# Altium PCB MCU063A_PCB.PcbDoc (part 1 of 9) (continued)
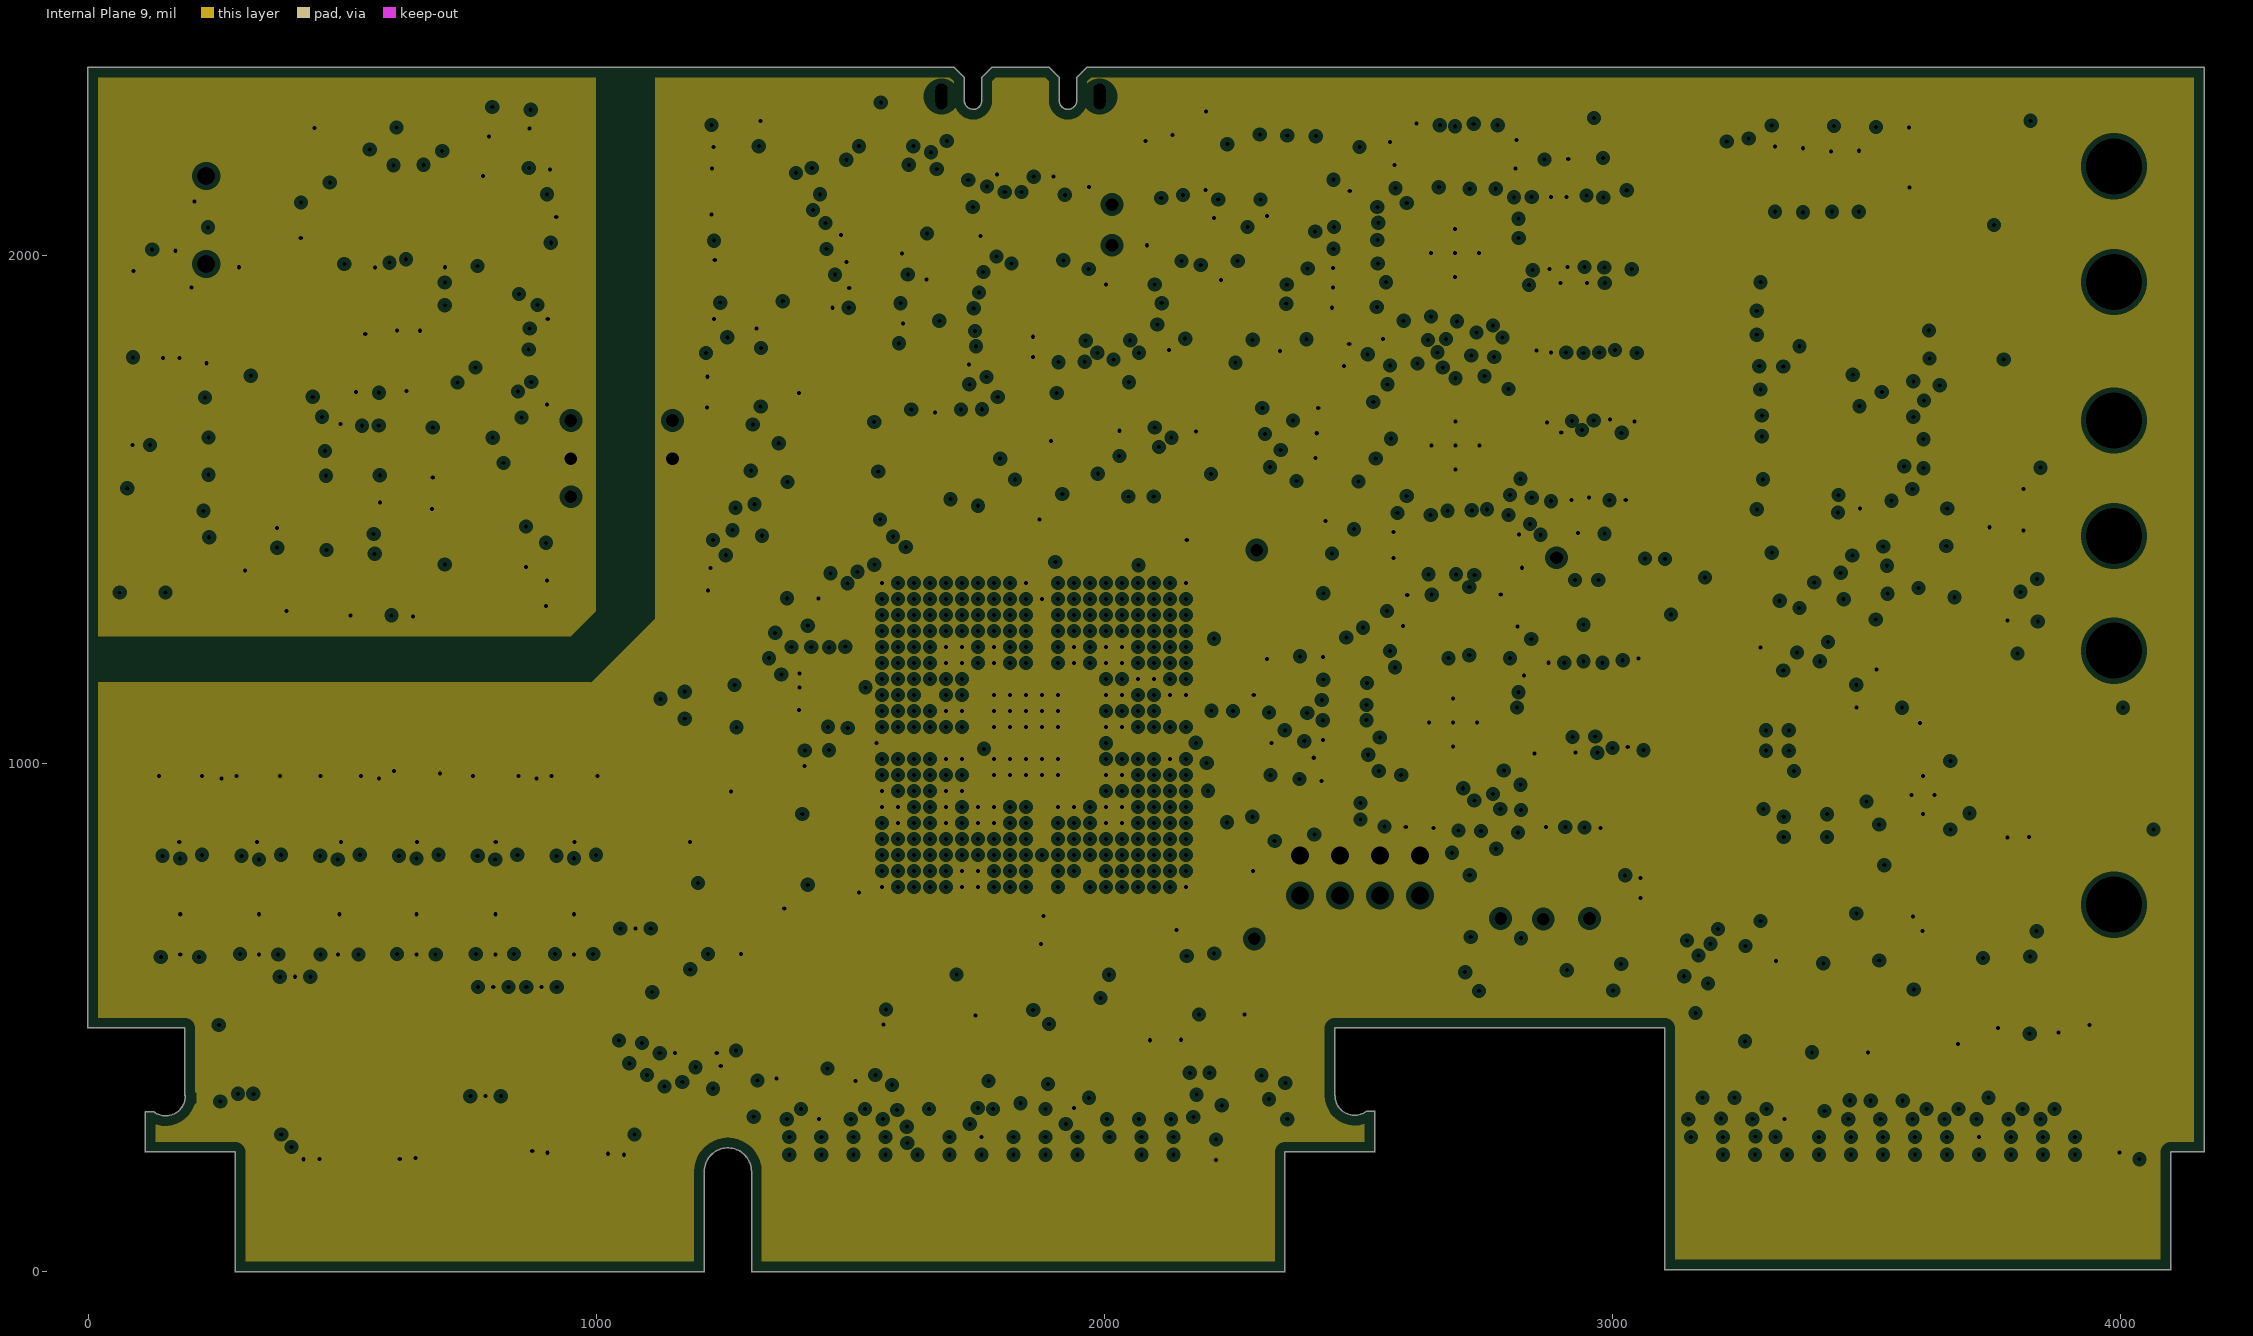
[diagram p9: Internal Plane 9, clearances drawn from the general rule]

## Layer stack, top to bottom
Top Solder: solder mask 0.8, Solder Resist, Dk 3.6
Top Layer: signal copper 1.45
Dielectric 1: prepreg 4.86, FR-4, Dk 3.7
Internal Plane 2: plane copper 1.2, net (Multiple Nets)
Dielectric 2: core 5, FR-4, Dk 3.7
Signal Layer 3: signal copper 1.2
Dielectric 3: prepreg 6.28, FR-4, Dk 4.1
Signal Layer 4: signal copper 1.2
Dielectric 4: core 5, FR-4, Dk 3.7
Internal Plane 5: plane copper 1.2, net (Multiple Nets)
Dielectric 5: prepreg 5.12, FR-4, Dk 3.7
Internal Plane 6: plane copper 1.2, net (Multiple Nets)
Dielectric 6: core 5, FR-4, Dk 3.7
Signal Layer 7: signal copper 1.2
Dielectric 7: prepreg 6.28, FR-4, Dk 4.1
Signal Layer 8: signal copper 1.2
Dielectric 8: core 5, FR-4, Dk 3.7
Internal Plane 9: plane copper 1.2, net (Multiple Nets)
Dielectric 9: prepreg 4.86, FR-4, Dk 3.7
Bottom: signal copper 1.45
Bottom Solder: solder mask 0.8, Solder Resist, Dk 3.6

## Board outline
112.46,236 112.46,314 cw(c112.98,314) 112.98,314.52 128.94,314.52 cw(c128.98,314) 129.29,314.41 ccw(c152.53,345.09) 191.01,345.09 ccw(c152.53,345.09) 190.99,346.49 cw(c190.98,347) 190.46,347 190.46,479.49 0,479.49 cw(c0,480) -0.52,480 -0.52,2369.99 cw(c0,2369.99) 0,2370.51 1703.62,2370.51 cw(c1703.62,2369.99) 1703.99,2370.35 1724.1,2350.24 cw(c1723.73,2349.88) 1724.25,2349.88 1724.25,2305.27 ccw(c1742.37,2305.63) 1742,2287.51 ccw(c1741.78,2304.39) 1758.65,2304.39 ccw(c1741.78,2304.39) 1758.65,2304.59 ccw(c1741.78,2304.39) 1758.65,2304.6 1758.65,2349.88 cw(c1759.17,2349.88) 1758.8,2350.24 1778.49,2369.93 cw(c1778.85,2369.56) 1778.85,2370.08 1891.06,2370.08 cw(c1891.06,2369.56) 1891.42,2369.93 1911.11,2350.24 cw(c1910.74,2349.88) 1911.26,2349.88 1911.26,2304.6 cw(c1910.74,2304.6) 1911.26,2304.59 cw(c1928.17,2304.43) 1911.26,2304.6 1911.26,2304.59 ccw(c1928.17,2304.43) 1928,2287.51 ccw(c1928.17,2304.43) 1928.01,2287.51 cw(c1928,2287) 1928.02,2287.51 cw(c1928.29,2304.89) 1928.01,2287.51 ccw(c1928,2287) 1928,2287.51 1928.02,2287.51 ccw(c1928.29,2304.89) 1945.66,2304.6 ccw(c1928.29,2304.89) 1945.66,2304.61 ccw(c1928.29,2304.89) 1945.66,2304.61 1945.66,2304.6 1945.66,2349.88 cw(c1946.18,2349.88) 1945.81,2350.24 1965.93,2370.36 cw(c1966.3,2370) 1966.3,2370.52 4163.98,2370.52 cw(c4163.98,2370) 4164.49,2370 4164.49,236.1 cw(c4163.98,236.1) 4163.98,235.59 4099.08,235.59 4099.08,4 cw(c4098.57,4) 4098.57,3.49 3103.29,3.49 cw(c3103.29,4) 3102.77,4 3102.77,479.49 2453.49,479.49 2453.49,346.52 cw(c2453.48,346) 2453.99,346 ccw(c2492.48,346.12) 2515.62,315.37 cw(c2515.98,315) 2515.98,315.52 2531.98,315.52 cw(c2531.98,315) 2532.49,315 2532.49,236 cw(c2531.98,236) 2531.98,235.49 2355.49,235.49 2355.49,0 cw(c2354.98,0) 2354.98,-0.51 1306.09,-0.51 cw(c1306.09,0) 1305.57,0 1305.57,197 ccw(c1259.09,197) 1212.6,197 1212.6,0 cw(c1212.09,0) 1212.09,-0.51 289.98,-0.51 cw(c289.98,0) 289.46,0 289.46,235.49 112.98,235.49 cw(c112.98,236)

## Design rules (kind name [scope] priority, off if disabled: settings)
AcuteAngle [All] p1: minimum=4.50000000000000E+0001 checktracksonly=FALSE
AssemblyTestPointUsage [All] p1: valid=2
BoardOutlineClearance "Edge exception" [OnCopper and Not InComponentClass('Logo') and not InComponentClass('FiducialMark') and not InRegion(1000,500,4000,800) and not InPoly and ((Name = 'EC2') or (Name = 'EC1'))] p1: gap=0 ignorepadtopadclearanceinfootprint=FALSE
BoardOutlineClearance BoardOutlineClearance_1 [All] p2: gap=30 ignorepadtopadclearanceinfootprint=FALSE except(15: Arc-OutlineEdge Track-OutlineEdge SMDPad-OutlineEdge Fill-OutlineEdge)
BoardOutlineClearance BoardOutlineClearance_MountingHoles [OnCopper and InComponentClass('Mounting Holes')] p3: gap=40 ignorepadtopadclearanceinfootprint=FALSE
BoardOutlineClearance BoardOutlineClearance_Poly [OnCopper and IsPoly] p4: gap=25 ignorepadtopadclearanceinfootprint=FALSE
Clearance same_net [All] p1: gap=0 ignorepadtopadclearanceinfootprint=TRUE except(5.3: SMDPad-Via; 10: THPad-Via)
Clearance Clearance_Keepouts [((IsTrack Or IsArc) And Not InPoly) And IsFree and IsKeepOut vs ((IsTrack Or IsArc) And Not InPoly) And IsFree and IsKeepOut] p2: gap=0 ignorepadtopadclearanceinfootprint=FALSE
Clearance Clearance_Poly [InPolygon] p3: gap=8 ignorepadtopadclearanceinfootprint=FALSE
Clearance Clearance_FiducialMark [IsKeepOut and InComponentClass('FiducialMark') vs IsPad and InComponentClass('FiducialMark')] p4: gap=0 ignorepadtopadclearanceinfootprint=FALSE
Clearance [All] p5: gap=5.3 ignorepadtopadclearanceinfootprint=FALSE except(4: Arc-Via Track-Via; 5: SMDPad-Via Via-Via; 6: Arc-THPad Arc-Hole Track-THPad Track-Hole SMDPad-THPad THPad-THPad THPad-Via THPad-Fill THPad-Poly THPad-Region THPad-Text; 10: SMDPad-Hole THPad-Hole Via-Hole Fill-Hole Poly-Hole Region-Hole Text-Hole)
ComponentClearance ComponentClearance_MountingHoles_FiducialMarks [InComponentClass('Mounting Holes') vs InComponentClass('FiducialMark')] p1: gap=50 collisioncheckmode=3 verticalgap=10 showdistances=FALSE
ComponentClearance ComponentClearance_Shunt [InComponentClass('Header') vs InComponentClass('Shunt')] p2: gap=0 collisioncheckmode=3 verticalgap=0 showdistances=FALSE
ComponentClearance ComponentClearance_Logo [InComponentClass('Logo')] p3: gap=50 collisioncheckmode=3 verticalgap=10 showdistances=FALSE
ComponentClearance ComponentClearance_ScrewToNut [(HasFootprint('NY PMS 440 0025 PH')) vs (HasFootprint('Keystone_1902C'))] p4: gap=5 collisioncheckmode=3 verticalgap=10 showdistances=FALSE
ComponentClearance ComponentClearance_MountingHoles [InComponentClass('Mounting Holes')] p5: gap=250 collisioncheckmode=3 verticalgap=100000 showdistances=FALSE
ComponentClearance ComponentClearance_SmallPassives [HasFootprint('0201*') or HasFootprint('0402*') or HasFootprint('0508') or HasFootprint('0603*') or HasFootprint('0612') or HasFootprint('0805*') or HasFootprint('0815*') or HasFootprint('0830*') or HasFootprint('1206*') or HasFootprint('1210*') or HasFootprint('1808*') or HasFootprint('1812*') or HasFootprint('1825*') or HasFootprint('2010*') or HasFootprint('2220*') or HasFootprint('2225*') or HasFootprint('2512*') or HasFootprint('2728*') or HasFootprint('3518*') vs HasFootprint('0201*') or HasFootprint('0402*') or HasFootprint('0508') or HasFootprint('0603*') or HasFootprint('0612') or HasFootprint('0805*') or HasFootprint('0815*') or HasFootprint('0830*') or HasFootprint('1206*') or HasFootprint('1210*') or HasFootprint('1808*') or HasFootprint('1812*') or HasFootprint('1825*') or HasFootprint('2010*') or HasFootprint('2220*') or HasFootprint('2225*') or HasFootprint('2512*') or HasFootprint('2728*') or HasFootprint('3518*')] p6: gap=14.96 collisioncheckmode=3 verticalgap=10 showdistances=FALSE
ComponentClearance ComponentClearance_THtoSMT [IsThruComponent vs IsSMTComponent] p7: gap=40 collisioncheckmode=3 verticalgap=30 showdistances=FALSE
ComponentClearance ComponentClearance_THtoTH [IsThruComponent vs IsThruComponent] p8: gap=30 collisioncheckmode=3 verticalgap=30 showdistances=FALSE
ComponentClearance [All] p9: gap=30 collisioncheckmode=3 verticalgap=10 showdistances=FALSE
DiffPairsRouting [InDifferentialPairClass('All Differential Pairs')] p1: maxlimit=7 minlimit=6 mostfreqgap=7 toplayer_maxgap=6 toplayer_prefgap=6 toplayer_minwidth=4 toplayer_maxwidth=6.1 toplayer_prefwidth=6 midlayer1_mingap=7 midlayer1_minwidth=4 midlayer1_maxwidth=5 midlayer1_prefwidth=5 midlayer2_mingap=7 midlayer2_minwidth=4 midlayer2_maxwidth=5 midlayer2_prefwidth=5 midlayer3_mingap=7 midlayer3_minwidth=4 midlayer3_maxwidth=5 midlayer3_prefwidth=5 midlayer4_mingap=7 midlayer4_minwidth=4 midlayer4_maxwidth=5 midlayer4_prefwidth=5 bottomlayer_maxgap=6 bottomlayer_prefgap=6 bottomlayer_minwidth=4 bottomlayer_maxwidth=6 bottomlayer_prefwidth=6 maxuncoupledlength=1000
DiffPairsRouting DiffPairsRouting_90 [InDifferentialPairClass('All Differential Pairs')] p2: maxlimit=6 minlimit=5 mostfreqgap=6 toplayer_maxgap=5 toplayer_prefgap=5 toplayer_minwidth=7 toplayer_maxwidth=7 toplayer_prefwidth=7 midlayer1_mingap=6 midlayer1_minwidth=6 midlayer1_maxwidth=6 midlayer1_prefwidth=6 midlayer2_mingap=6 midlayer2_minwidth=6 midlayer2_maxwidth=6 midlayer2_prefwidth=6 midlayer3_mingap=6 midlayer3_minwidth=6 midlayer3_maxwidth=6 midlayer3_prefwidth=6 midlayer4_mingap=6 midlayer4_minwidth=6 midlayer4_maxwidth=6 midlayer4_prefwidth=6 bottomlayer_maxgap=5 bottomlayer_prefgap=5 bottomlayer_minwidth=7 bottomlayer_maxwidth=7 bottomlayer_prefwidth=7 maxuncoupledlength=1000
FabricationTestPointUsage TestPointUsage [All] p1: valid=2 allowmultiple=FALSE
FabricationTestpoint Testpoint [All] p1: side=3 testpointundercomponent=TRUE minsize=40 maxsize=100 preferedsize=60 minholesize=0 maxholesize=40 preferedholesize=32 testpointgrid=1 allowsidetop=TRUE allowsidebottom=TRUE usegrid=TRUE gridtolerance=0.01
FanoutControl Fanout_LCC [IsLCC] p1: bgadir=Out bgaviamode=Centered fanoutstyle=Auto fanoutdirection=Alternating viagrid=1 // Fanout_LCC (Default Rule)
FanoutControl Fanout_BGA [IsBGA] p2: bgadir=Out bgaviamode=Centered fanoutstyle=Auto fanoutdirection=Alternating viagrid=1 // Fanout_BGA (Default Rule)
FanoutControl Fanout_Default [All] p4: bgadir=Out bgaviamode=Centered fanoutstyle=Auto fanoutdirection=Alternating viagrid=1 // Fanout_Default (Default Rule)
FanoutControl Fanout_Small [(CompPinCount < 5)] p5: bgadir=Out bgaviamode=Centered fanoutstyle=Auto fanoutdirection=OutThenIn viagrid=1 // Fanout_Small (Default Rule)
HoleSize [All] p1: absolutevalues=TRUE maxlimit=251 minlimit=7.87 maxpercent=80.000 minpercent=20.000
MinimumAnnularRing MinimumAnnularRing_ThermalPadVias [IsVia and InAnyComponent] p1: minimumring=5
MinimumAnnularRing [All] p2: minimumring=5
MinimumSolderMaskSliver MinimumSolderMaskSliver_Logo [InComponentClass('Logo') vs InComponentClass('Logo')] p1: minsoldermaskwidth=0.7
MinimumSolderMaskSliver [All] p2: minsoldermaskwidth=3.94
PlaneClearance [All] p1: clearance=10
PlaneConnect [All] p1: planeconnectstyle=Direct reliefexpansion=10 reliefentries=4 reliefconductorwidth=10 reliefairgap=10
PolygonConnect [All] p1: connectstyle=Relief reliefconductorwidth=10 reliefentries=4 polygonreliefangle="90 Angle" airgapwidth=10
RoutingVias [All] p1: holewidth=8 width=22 viastyle="Through Hole" minholewidth=7.87 minwidth=18 maxholewidth=8 maxwidth=22
SilkToBoardRegionClearance [Not ((IsComment or IsDesignator) And (Hide <> 'False')) and not InRegion(1000,500,4000,800)] p1:
SilkToSilkClearance SilkToSilkClearance_Pb-FreeLogo [(HasFootprint('Pb-Free_Overlay_Medium') OR HasFootprint('Pb-Free_Overlay_Small')) vs (HasFootprint('Pb-Free_Overlay_Medium') OR HasFootprint('Pb-Free_Overlay_Small'))] p1: silktosilkclearance=1
SilkToSilkClearance [All] p2: silktosilkclearance=3
SilkToSolderMaskClearance SilkToComponentPadClearance [(IsPad or IsFill or IsRegion) and InAnycomponent] p1: minsilkscreentomaskgap=3 clearancetoexposedcopper=TRUE
SilkToSolderMaskClearance "Silk to Solder Mask Opening" [All] p2: minsilkscreentomaskgap=3 clearancetoexposedcopper=FALSE
SolderMaskExpansion [All] p1: expansion=1.97
Width USB_Width [InNetClass('USB')] p1: maxlimit=6.1 minlimit=6.1 preferedwidth=6.1 checkconnectedcopper=TRUE
Width [All] p2: maxlimit=20 minlimit=4 preferedwidth=6.25 checkconnectedcopper=TRUE
14 further rules are at their usual default settings.

## Classes and differential pairs
component class MCU063A_Emulator_interface: C20:A C21:A C22:A C23:A C24:A C25:A C26:A C27:A C28:A C29:A R15:A S1:A U5:A U6:A U7:A U8:A U9:A
component class MCU063A_GPIO: EC2 R1 R2 R3 R4 R5 R6 R7 R8
component class Logo: Logo2 Logo5
component class MCU063A_EVM_Hardware: FID1 FID2 FID3 FID4 FID5 FID6 LBL1 Logo1 Logo2 Logo3 Logo4 Logo5 ZZ1 ZZ2 ZZ3 ZZ4
component class FiducialMark: FID1 FID2 FID3 FID4 FID5 FID6
component class AssemblyNote: ZZ1 ZZ2 ZZ3 ZZ4
component class Label: LBL1
component class Header: J2
component class MCU063A_ADC: C8 C9 C10 C11 C12 C13 C14 C15 C16 C17 C18 C19 C20 C21 C22 C23 C24 C25 C26 C27 C28 C29 C30 C31 C32 C33 C34 C35 C36 C37 C38 C39 C40 C41 C42 C43 C44 R44 R45 R46 R47 R48 R49 R50 R51 R52 R53 R54 R55 R56 R57 R58 R59 R60 R61 R62 R63 R64 R65 R66 R67 R68 R69 R70 R71 R72 R73 R74 R75 R76 R77 R78 S3 S4 U1 U6 U7 U8 U9 U10 U11 U12 U13
component class MCU063A_Emulator: C1:A C2:A C3:A C4:A C5:A C6:A C7:A C8:A C9:A C10:A C11:A C12:A C13:A C14:A C15:A C16:A C17:A C18:A C19:A C140 C141 C142 C143 C144 C145 C146 C147 C148 C149 C150 C151 C152 C153 C154 C155 D1:A D2:A D3:A D4:A D9 D10 D11 D12 J1:A J7 L1:A L2:A L6 L7 R1:A R2:A R3:A R4:A R5:A R6:A R7:A R8:A R9:A R10:A R11:A R12:A R13:A R14:A R158 R159 R160 R161 R162 R163 R164 R165 R166 R167 R168 R169 R170 TP1:A TP2:A TP3:A U1:A U2:A U3:A U4:A U22 U23 U24 U25 Y1:A Y3
component class MCU063A_EtherCAT: C104 C105 C106 C107 C108 C109 C110 C111 C112 C113 C114 C115 C116 C117 C118 C119 C120 C121 C122 C123 C124 C125 C126 C127 C128 C129 C130 C131 C132 C133 C134 C135 C136 C137 C138 C139 D7 D8 J5 J6 R114 R115 R116 R117 R118 R119 R120 R121 R122 R123 R124 R125 R126 R127 R128 R129 R130 R131 R132 R133 R134 R135 R136 R137 R138 R139 R140 R141 R142 R143 R144 R145 R146 R147 R148 R149 R150 R151 R152 R153 R154 R155 R156 R157 U18 U19 U20 U21
component class MCU063A_EtherNET: C87 C88 C89 C90 C91 C92 C93 C94 C95 C96 C97 C98 C99 C100 C101 C102 C103 J4 R103 R104 R105 R106 R107 R108 R109 R110 R111 R112 R113 U17
component class MCU063A_Power: C45 C46 C47 C48 C49 C50 C51 C52 C53 C54 C55 C56 C57 C58 C59 C60 C61 C62 C63 C64 C65 C66 C67 C68 C69 C70 C71 C72 C73 C74 C75 C76 C77 C78 C79 C80 C81 C82 D3 D4 D5 L1 L2 L3 L4 L5 q R79 R80 R81 R82 R83 R84 R85 R86 R87 R88 R89 R90 TP7 TP8 TP9 TP10 U14
component class MCU063A_Support: C1 C2 C3 C4 C5 C6 C7 D1 D2 J1 J2 R9 R10 R11 R12 R13 R14 R15 R16 R17 R18 R19 R20 R21 R22 R23 R24 R25 R26 R27 R28 R29 R30 R31 R32 R33 R34 R35 R36 R37 R38 R39 R40 R41 R42 R43 S1 S2 TP1 TP2 TP3 TP4 TP5 TP6 U2 U3 U4 U5 Y1 Y2
component class MCU063A_USB: C83 C84 C85 C86 D6 J3 Q1 R91 R92 R93 R94 R95 R96 R97 R98 R99 R100 R101 R102 U15 U16
net class USB: USB_N USB_P
differential pair ADC_IN1415: +ADC_IN1415_P -ADC_IN1415_N
differential pair ADC_D4D5: +ADC_D4D5_P -ADC_D4D5_N
differential pair ADC_D2D3: +ADC_D2D3_P -ADC_D2D3_N
differential pair ADC_D0D1: +ADC_D0D1_P -ADC_D0D1_N
differential pair ADC_C4C5: +ADC_C4C5_P -ADC_C4C5_N
differential pair ADC_C2C3: +ADC_C2C3_P -ADC_C2C3_N
differential pair ADC_B4B5: +ADC_B4B5_P -ADC_B4B5_N
differential pair ADC_B2B3: +ADC_B2B3_P -ADC_B2B3_N
differential pair ADC_B0B1: +ADC_B0B1_P -ADC_B0B1_N
differential pair ADC_A4A5: +ADC_A4A5_P -ADC_A4A5_N
differential pair ADC_A2A3: +ADC_A2A3_P -ADC_A2A3_N
differential pair ADC_A0A1: +ADC_A0A1_P -ADC_A0A1_N
differential pair P1_TD: +P1_TD_P -P1_TD_N
differential pair P1_RD: +P1_RD_P -P1_RD_N
differential pair P0_TD: +P0_TD_P -P0_TD_N
differential pair P0_RD: +P0_RD_P -P0_RD_N
differential pair RD: +RD_P -RD_N
differential pair TD: +TD_P -TD_N
differential pair USB: +USB_P -USB_N
differential pair 1415: +1415_P -1415_N
differential pair A0A1: +A0A1_P -A0A1_N
differential pair A2A3: +A2A3_P -A2A3_N
differential pair A4A5: +A4A5_P -A4A5_N
differential pair B0B1: +B0B1_P -B0B1_N
differential pair B2B3: +B2B3_P -B2B3_N
differential pair B4B5: +B4B5_P -B4B5_N
differential pair C2C3: +C2C3_P -C2C3_N
differential pair C4C5: +C4C5_P -C4C5_N
differential pair D0D1: +D0D1_P -D0D1_N
differential pair D2D3: +D2D3_P -D2D3_N
differential pair D4D5: +D4D5_P -D4D5_N

## Components (designator, comment, footprint, x,y, rotation, side; value= is the part's Value field where it differs from the comment)
C1 "CL05B104KP5NNNC" 0402 1995.01,1630 r90 bottom value=0.1uF
C1:A "CL05B104KP5NNNC" 0402 552.16,1876.61 r180 top value=0.1uF
C2 "CL05B104KP5NNNC" 0402 2390.01,2080 r180 top value=0.1uF
C2:A "C0603C475K9PACTU" 0603 522.97,2251.02 r180 bottom value=4.7uF
C3 "C0402C103J5RACTU" 0402 2148.63,2020 r180 top value=0.01uF
C3:A "C0603C475K9PACTU" 0603 560.03,1938.74 r0 top value=4.7uF
C4 "CL05B104KP5NNNC" 0402 1985.01,1885 r90 top value=0.1uF
C4:A "0402ZC103KAT2A" 0402 827.16,2241.61 r270 top value=0.01uF
C5 "C0402C103J5RACTU" 0402 1955.01,2060 r90 top value=0.01uF
C5:A "C0603C475K9PACTU" 0603 272.16,1756.61 r270 top value=4.7uF
C6 "CL05B104KP5NNNC" 0402 2230.01,1890 r90 top value=0.1uF
C6:A "CL05B104KP5NNNC" 0402 602.16,1806.61 r180 top value=0.1uF
C7 "CL05B104KP5NNNC" 0402 3439.9,388.6 r0 bottom value=0.1uF
C7:A "CL05B104KP5NNNC" 0402 274.77,1403.83 r90 top value=0.1uF
C8 "C0603C104K8RACTU" 0603 264.94,866.31 r90 bottom value=0.1uF
C8:A "CL05B104KP5NNNC" 0402 631.96,1451.77 r180 top value=0.1uF
C9 "C0603C104K8RACTU" 0603 572.21,885.31 r90 bottom value=0.1uF
C9:A "CL05B104KP5NNNC" 0402 720.66,1640.51 r90 top value=0.1uF
C10 "C0603C104K8RACTU" 0603 882.21,880.31 r90 bottom value=0.1uF
C10:A "CL05B104KP5NNNC" 0402 272.16,1531.61 r90 top value=0.1uF
C11 "C0603C105Z9VACTU" 0603 1384.92,427.12 r180 bottom value=1uF
C11:A "CL05B104KP5NNNC" 0402 727.16,1471.61 r270 top value=0.1uF
C12 "C0603C105Z9VACTU" 0603 1399.92,672.12 r180 bottom value=1uF
C12:A "CL05B104KP5NNNC" 0402 492.32,1353.11 r180 top value=0.1uF
C13 "C0603C104K8RACTU" 0603 1219.92,517.12 r270 bottom value=0.1uF
C13:A "C0603C475K9PACTU" 0603 762.5,2074.42 r90 bottom value=4.7uF
C14 "C0603C225K9PACTU" 0603 1154.92,517.12 r270 bottom value=2.2uF
C14:A "CL05B104KP5NNNC" 0402 147.16,1671.61 r180 bottom value=0.1uF
C15 "C0603C105Z9VACTU" 0603 1284.92,517.12 r90 bottom value=1uF
C15:A "C0603C475K9PACTU" 0603 377.16,1976.61 r180 bottom value=4.7uF
C16 "C0603C331J5GACTU" 0603 227.21,720.31 r90 bottom value=330pF
C16:A "CL05B104KP5NNNC" 0402 397.16,1911.61 r0 bottom value=0.1uF
C17 "C0603C331J5GACTU" 0603 224.21,900.31 r90 top value=330pF
C17:A "CGA2B2X7R1H332K050BA" 0402 148.08,2106.02 r180 bottom value=3300pF
C18 "C0603C331J5GACTU" 0603 537.21,720.31 r90 bottom value=330pF
C18:A "C0402C270J5GACTU" 0402 237.74,1906.61 r270 bottom value=27pF
C19 "C0603C331J5GACTU" 0603 537.21,900.31 r90 top value=330pF
C19:A "C0402C270J5GACTU" 0402 88.85,1715.15 r90 top value=27pF
C20 "C0603C331J5GACTU" 0603 377.21,720.31 r90 bottom value=330pF
C20:A "CL05B104KP5NNNC" 0402 826.96,2268.77 r90 bottom value=0.1uF
C21 "C0603C331J5GACTU" 0603 377.21,900.31 r90 top value=330pF
C21:A "CL05B104KP5NNNC" 0402 1271.96,2236.77 r270 bottom value=0.1uF
C22 "C0603C331J5GACTU" 0603 692.21,720.31 r90 bottom value=330pF
C22:A "CL05B104KP5NNNC" 0402 905,1778.62 r90 top value=0.1uF
C23 "C0603C331J5GACTU" 0603 692.21,900.31 r90 top value=330pF
C23:A "CL05B104KP5NNNC" 0402 1188.79,1997.76 r270 bottom value=0.1uF
C24 "C0603C331J5GACTU" 0603 1002.21,720.31 r90 bottom value=330pF
C24:A "CL05B104KP5NNNC" 0402 1620.01,2080 r90 top value=0.1uF
C25 "C0603C331J5GACTU" 0603 1002.21,900.31 r90 top value=330pF
C25:A "CL05B104KP5NNNC" 0402 958.34,1777.37 r90 top value=0.1uF
C26 "C0603C331J5GACTU" 0603 847.21,720.31 r90 bottom value=330pF
C26:A "CL05B104KP5NNNC" 0402 1185.03,1784.85 r270 top value=0.1uF
C27 "C0603C331J5GACTU" 0603 847.21,900.31 r90 top value=330pF
C27:A "CL05B104KP5NNNC" 0402 941.82,1410.32 r90 bottom value=0.1uF
C28 "GRM188R61A226ME15D" 0603 1507.09,536.41 r270 bottom value=22uF
C28:A "CL05B104KP5NNNC" 0402 1178.04,1410.32 r270 bottom value=0.1uF
C29 "GRM188R61A226ME15D" 0603 1790.55,536.41 r270 bottom value=22uF
C29:A "C1812C100JHGACTU" 1812_180 1068.18,2222.63 r180 bottom value=10pF
C30 "GRM188R61A226ME15D" 0603 1349.61,945.86 r180 bottom value=22uF
C31 "GRM188R61A226ME15D" 0603 1617.33,536.41 r270 bottom value=22uF
C32 "C0603C331J5GACTU" 0603 142.21,720.31 r90 bottom value=330pF
C33 "C0603C331J5GACTU" 0603 139.21,900.31 r90 top value=330pF
C34 "C0603C331J5GACTU" 0603 457.21,720.31 r90 bottom value=330pF
C35 "C0603C331J5GACTU" 0603 457.21,900.31 r90 top value=330pF
C36 "C0603C331J5GACTU" 0603 292.21,720.31 r90 bottom value=330pF
C37 "C0603C331J5GACTU" 0603 292.21,900.31 r90 top value=330pF
C38 "C0603C331J5GACTU" 0603 602.21,720.31 r90 bottom value=330pF
C39 "C0603C331J5GACTU" 0603 602.21,900.31 r90 top value=330pF
C40 "C0603C331J5GACTU" 0603 912.21,720.31 r90 bottom value=330pF
C41 "C0603C331J5GACTU" 0603 912.21,900.31 r90 top value=330pF
C42 "C0603C331J5GACTU" 0603 757.21,720.31 r90 bottom value=330pF
C43 "C0603C331J5GACTU" 0603 757.21,900.31 r90 top value=330pF
C44 "C0603C104K8RACTU" 0603 1250.01,798.62 r270 bottom value=0.1uF
C45 "GRM21BR61C226ME44L" 0805_HV 3207.92,876.38 r270 bottom value=22uF
C46 "0402YC104KAT2A" 0402 3733.73,943.17 r270 bottom value=0.1uF
C47 "GRM21BR61C226ME44L" 0805_HV 3816.2,943.17 r270 bottom value=22uF
C48 "0402YC104KAT2A" 0402 3542.92,1146.38 r180 bottom value=0.1uF
C49 "0402YC104KAT2A" 0402 3572.92,776.38 r90 bottom value=0.1uF
C50 "885012005043" 0402 3302.92,1131.38 r90 bottom value=33pF
C51 "GRM21BR61C226ME44L" 0805_HV 3207.92,1066.38 r90 bottom value=22uF
C52 "C0603C225K8PACTU" 0603 2575.01,915 r180 bottom value=2.2uF
C53 "C0603C225K8PACTU" 0603 2255.12,1040.35 r180 bottom value=2.2uF
C54 "0402YC104KAT2A" 0402 1640.95,1040.35 r180 bottom value=0.1uF
C55 "0402YC104KAT2A" 0402 1963.78,1111.22 r90 bottom value=0.1uF
C56 "0402YC104KAT2A" 0402L 1877.17,882.87 r90 bottom value=0.1uF
C57 "0402YC104KAT2A" 0402 1948.03,945.86 r180 bottom value=0.1uF
C58 "0402YC104KAT2A" 0402 1798.43,1166.34 r180 bottom value=0.1uF
C59 "0402YC104KAT2A" 0402 1877.17,1245.08 r90 bottom value=0.1uF
C60 "0402YC104KAT2A" 0402 1948.03,1040.35 r180 bottom value=0.1uF